# KiCad board poly_kb_molecule_4x5.kicad_pcb (continued)
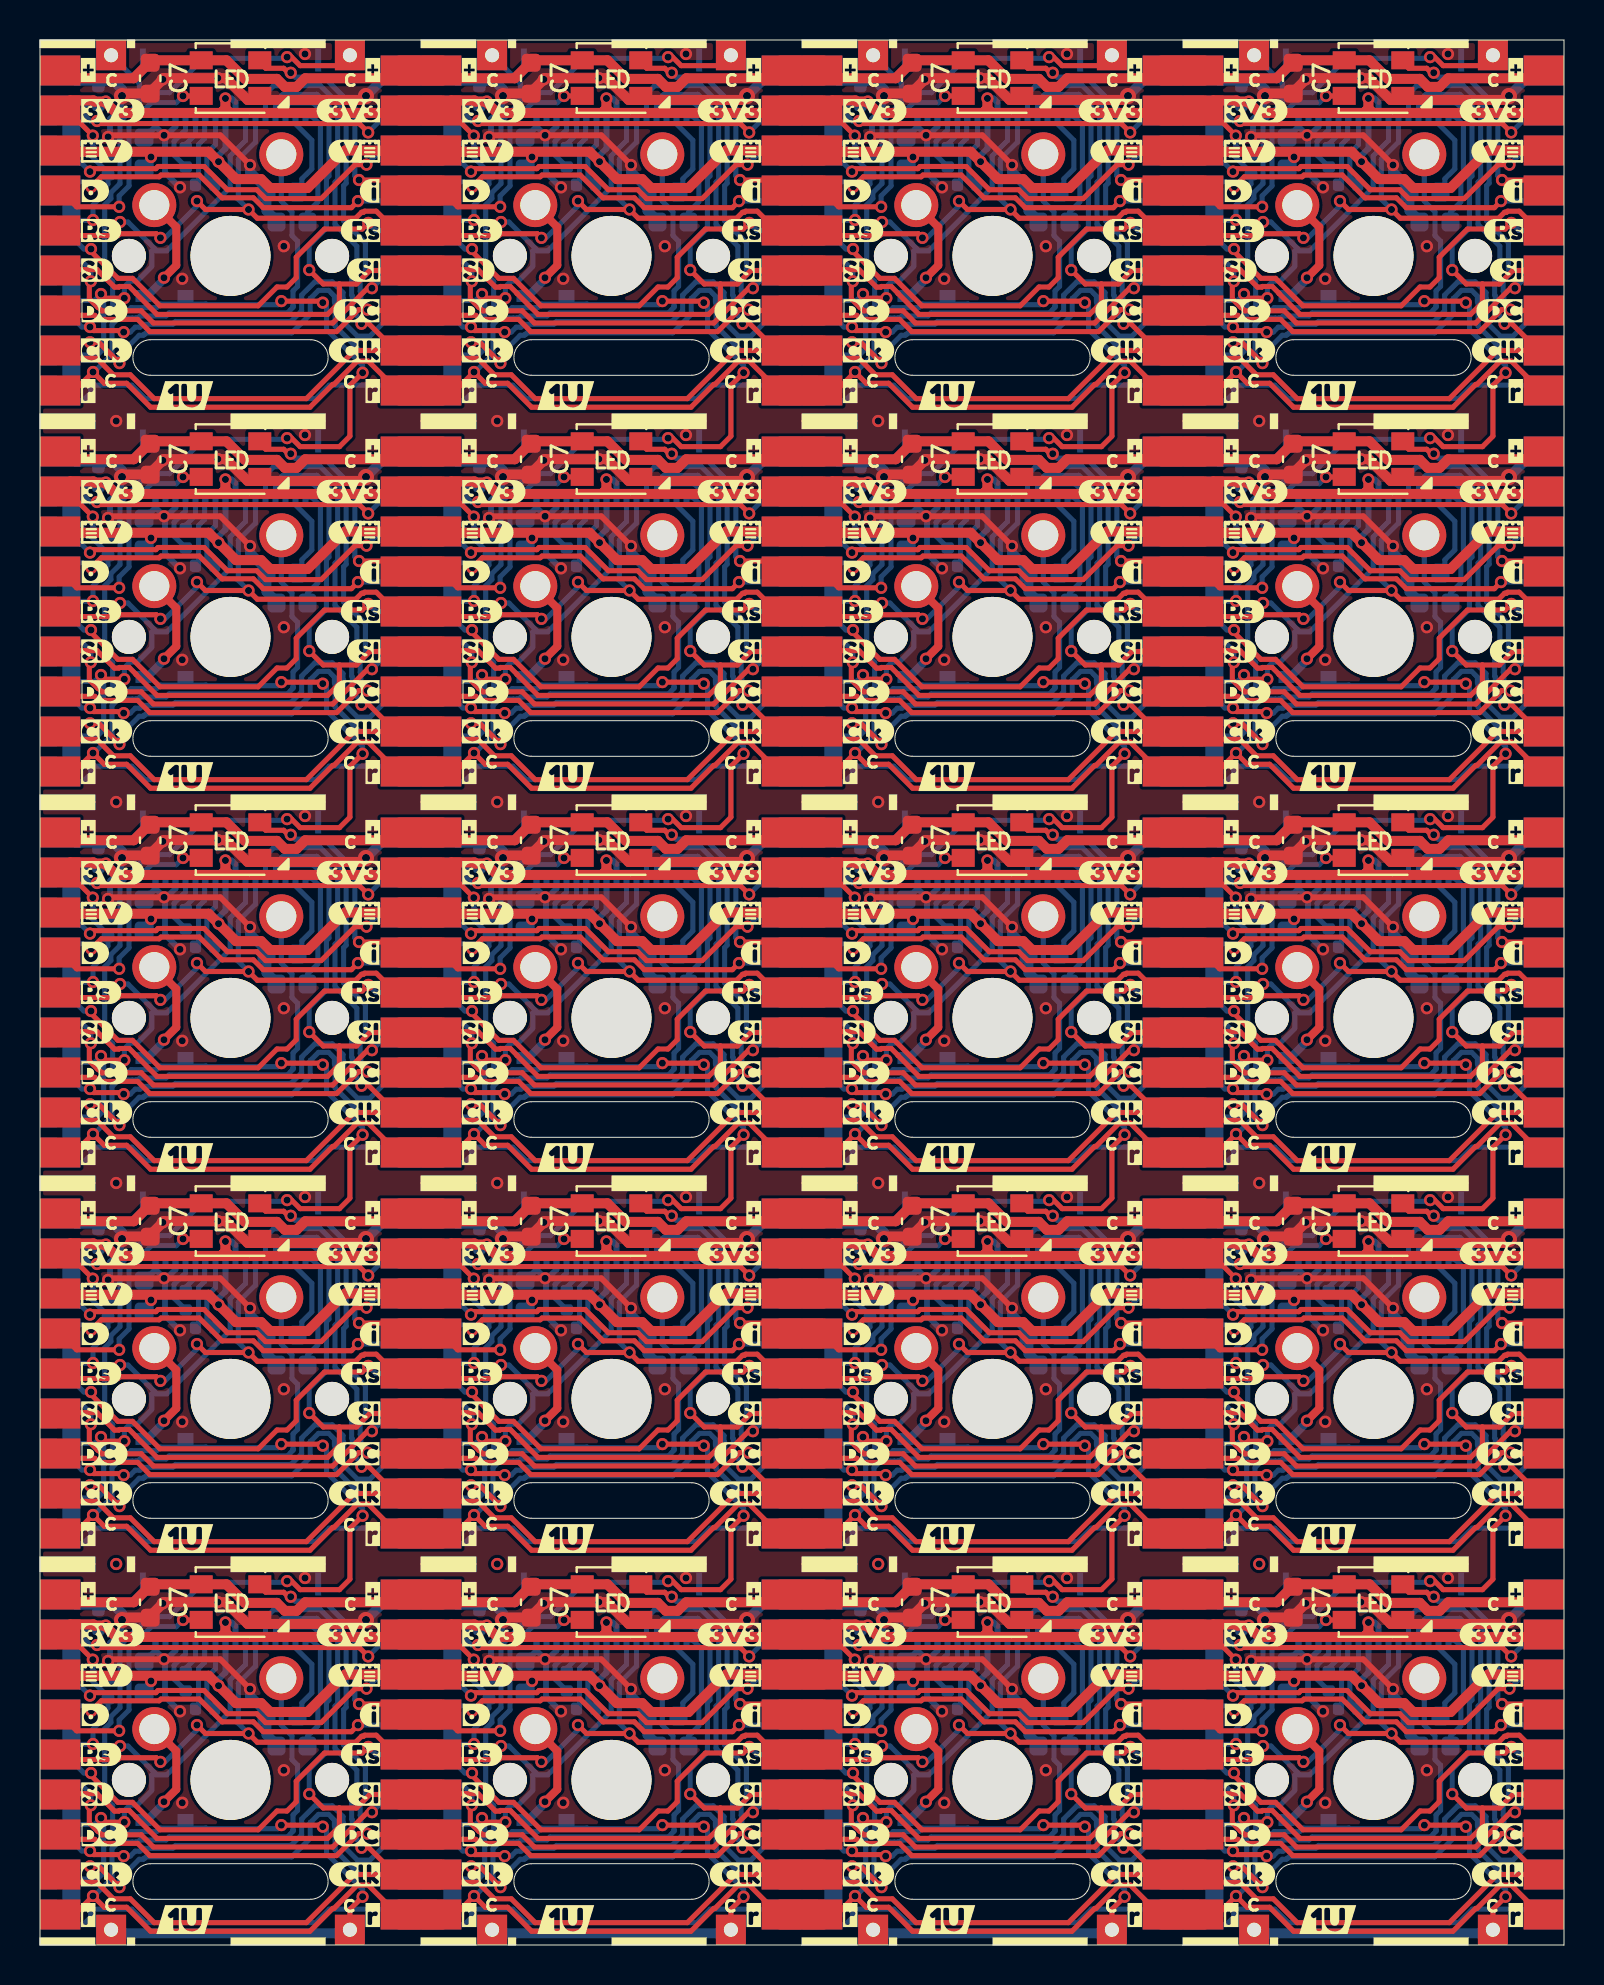
[diagram p0: board, top side]
## Routing (per net, layer and track width the routed paths; a pad name or vN(x,y) marks a point on that pad's centre or on a via; arc(x,y) is an arc through that point) (continued)
  Top w1.5: J4#16.1 J3#7.1 ; J4#18.1 J3#15.1 ; J4#10.1 J3#5.1 ; J4#5.1 J3#2.1 ; J4.1 J3#11.1 ; J4#20.1 J3#19.1 ; J4#15.1 J3#17.1 ; J4#8.1 J3#18.1 ; J4#13.1 J3#12.1 ; J4#4.1 J3#14.1 ; J4#2.1 J3#13.1 ; J4#19.1 J3#20.1 ; J4#9.1 J3#3.1 ; J4#12.1 J3#6.1 ; J4#17.1 J3#9.1
/Keyboard/sheet605ED2EB/GND: length 794.3
  Top w0.292: v1(48.6,12.8) 47.11,14.29 v1(44.3,14.29) 41.56,14.29 41.48,14.21 ; 60.53,14.21 60.61,14.29 v1(63.35,14.29) 66.16,14.29 v1(67.65,12.8) ; 3.38,90.41 3.46,90.49 v1(6.2,90.49) 9.01,90.49 v1(10.5,89) ; 41.48,71.36 41.56,71.44 v1(44.3,71.44) 47.11,71.44 v1(48.6,69.95) ; 3.38,71.36 3.46,71.44 v1(6.2,71.44) 9.01,71.44 v1(10.5,69.95) ; v1(67.65,89) 66.16,90.49 v1(63.35,90.49) 60.61,90.49 60.53,90.41 ; v1(10.5,12.8) 9.01,14.29 v1(6.2,14.29) 3.46,14.29 3.38,14.21 ; 41.48,52.31 41.56,52.39 v1(44.3,52.39) 47.11,52.39 v1(48.6,50.9) ; 41.48,33.26 41.56,33.34 v1(44.3,33.34) 47.11,33.34 v1(48.6,31.85) ; 60.53,33.26 60.61,33.34 v1(63.35,33.34) 66.16,33.34 v1(67.65,31.85) ; v1(67.65,50.9) 66.16,52.39 v1(63.35,52.39) 60.61,52.39 60.53,52.31 ; v1(48.6,89) 47.11,90.49 v1(44.3,90.49) 41.56,90.49 41.48,90.41 ; 22.43,90.41 22.51,90.49 v1(25.25,90.49) 28.06,90.49 v1(29.55,89) ; v1(29.55,31.85) 28.06,33.34 v1(25.25,33.34) 22.51,33.34 22.43,33.26 ; v1(29.55,12.8) 28.06,14.29 v1(25.25,14.29) 22.51,14.29 22.43,14.21 ; 3.38,52.31 3.46,52.39 v1(6.2,52.39) 9.01,52.39 v1(10.5,50.9) ; v1(10.5,31.85) 9.01,33.34 v1(6.2,33.34) 3.46,33.34 3.38,33.26 ; 22.43,71.36 22.51,71.44 v1(25.25,71.44) 28.06,71.44 v1(29.55,69.95) ; v1(67.65,69.95) 66.16,71.44 v1(63.35,71.44) 60.61,71.44 60.53,71.36 ; 22.43,52.31 22.51,52.39 v1(25.25,52.39) 28.06,52.39 v1(29.55,50.9)
  Top w0.5: 4.3,16.38 5.44,16.38 v1(6.14,17.08) 6.21,17.15 v1(8.89,17.15) 9.29,17.15 10.38,16.05 16.1,16.05 v2(16.3,16.25) ; v2(54.4,73.4) 54.2,73.2 48.48,73.2 47.39,74.3 v1(46.99,74.3) 44.31,74.3 v1(44.24,74.23) 43.54,73.53 42.4,73.53 ; v2(16.3,54.35) 16.1,54.15 10.38,54.15 9.29,55.24 v1(8.89,55.24) 6.21,55.24 v1(6.14,55.18) 5.44,54.48 4.3,54.48 ; v2(35.35,35.3) 35.15,35.1 29.43,35.1 28.34,36.19 v1(27.94,36.19) 25.26,36.19 v1(25.19,36.13) 24.49,35.43 23.35,35.43 ; 23.35,54.48 24.49,54.48 v1(25.19,55.18) 25.26,55.24 v1(27.94,55.24) 28.34,55.24 29.43,54.15 35.15,54.15 v2(35.35,54.35) ; v2(73.45,35.3) 73.25,35.1 67.53,35.1 66.44,36.19 v1(66.04,36.19) 63.36,36.19 v1(63.29,36.13) 62.59,35.43 61.45,35.43 ; v2(73.45,54.35) 73.25,54.15 67.53,54.15 66.44,55.24 v1(66.04,55.24) 63.36,55.24 v1(63.29,55.18) 62.59,54.48 61.45,54.48 ; v2(35.35,73.4) 35.15,73.2 29.43,73.2 28.34,74.3 v1(27.94,74.3) 25.26,74.3 v1(25.19,74.23) 24.49,73.53 23.35,73.53 ; v2(16.3,35.3) 16.1,35.1 10.38,35.1 9.29,36.19 v1(8.89,36.19) 6.21,36.19 v1(6.14,36.13) 5.44,35.43 4.3,35.43 ; v2(35.35,16.25) 35.15,16.05 29.43,16.05 28.34,17.15 v1(27.94,17.15) 25.26,17.15 v1(25.19,17.08) 24.49,16.38 23.35,16.38 ; v2(73.45,73.4) 73.25,73.2 67.53,73.2 66.44,74.3 v1(66.04,74.3) 63.36,74.3 v1(63.29,74.23) 62.59,73.53 61.45,73.53 ; v2(54.4,54.35) 54.2,54.15 48.48,54.15 47.39,55.24 v1(46.99,55.24) 44.31,55.24 v1(44.24,55.18) 43.54,54.48 42.4,54.48 ; v2(54.4,35.3) 54.2,35.1 48.48,35.1 47.39,36.19 v1(46.99,36.19) 44.31,36.19 v1(44.24,36.13) 43.54,35.43 42.4,35.43 ; 4.3,73.53 5.44,73.53 v1(6.14,74.23) 6.21,74.3 v1(8.89,74.3) 9.29,74.3 10.38,73.2 16.1,73.2 v2(16.3,73.4) ; v2(73.45,92.45) 73.25,92.25 67.53,92.25 66.44,93.34 v1(66.04,93.34) 63.36,93.34 v1(63.29,93.28) 62.59,92.58 61.45,92.58 ; v2(73.45,16.25) 73.25,16.05 67.53,16.05 66.44,17.15 v1(66.04,17.15) 63.36,17.15 v1(63.29,17.08) 62.59,16.38 61.45,16.38 ; v2(54.4,16.25) 54.2,16.05 48.48,16.05 47.39,17.15 v1(46.99,17.15) 44.31,17.15 v1(44.24,17.08) 43.54,16.38 42.4,16.38 ; 42.4,92.58 43.54,92.58 v1(44.24,93.28) 44.31,93.34 v1(46.99,93.34) 47.39,93.34 48.48,92.25 54.2,92.25 v2(54.4,92.45) ; 23.35,92.58 24.49,92.58 v1(25.19,93.28) 25.26,93.34 v1(27.94,93.34) 28.34,93.34 29.43,92.25 35.15,92.25 v2(35.35,92.45) ; 4.3,92.58 5.44,92.58 v1(6.14,93.28) 6.21,93.34 v1(8.89,93.34) 9.29,93.34 10.38,92.25 16.1,92.25 v2(16.3,92.45)
  Bottom w0.292: 62.36,90.56 62.57,90.56 62.92,90.92 ; 6.98,11.68 6.25,12.42 6.25,14.24 v1(6.2,14.29) ; v1(25.25,14.29) 25.3,14.24 25.3,12.42 26.03,11.68 ; v1(25.25,14.29) 25.25,14.29 24.82,14.72 ; v1(25.25,14.29) 25.39,14.29 25.82,14.72 J1#9.3 ; J1#2.1 24.82,33.77 ; 24.82,33.77 24.47,33.41 24.26,33.41 ; 24.82,33.77 25.25,33.34 v1(25.25,33.34) ; v2(23.15,73.4) 23.1,73.35 23.1,72.8 22.55,72.25 22.55,71.48 22.43,71.36 ; v1(25.25,90.49) 25.3,90.44 25.3,88.62 26.03,87.88 ; v1(25.25,90.49) 25.39,90.49 25.82,90.92 J1#13.3 ; v1(25.25,90.49) 25.25,90.49 24.82,90.92 ; v2(23.15,35.3) 23.1,35.25 23.1,34.7 22.55,34.15 22.55,33.38 22.43,33.26 ; 64.14,49.78 63.4,50.52 63.4,52.34 v1(63.35,52.39) ; 6.98,87.88 6.25,88.62 6.25,90.44 v1(6.2,90.49) ; 24.82,71.87 24.47,71.51 24.26,71.51 ; 24.82,71.87 25.25,71.44 v1(25.25,71.44) ; 24.82,71.87 J1#16.1 ; v1(44.3,14.29) 44.35,14.24 44.35,12.42 45.08,11.68 ; v1(44.3,14.29) 44.44,14.29 44.88,14.72 J1#14.3 ; v1(44.3,14.29) 44.3,14.29 43.88,14.72 ; J1#17.3 63.92,71.88 63.49,71.44 v1(63.35,71.44) ; v1(63.35,33.34) 63.4,33.29 63.4,31.47 64.14,30.73 ; v1(63.35,33.34) 63.35,33.34 62.92,33.77 ; v1(63.35,33.34) 63.49,33.34 63.92,33.77 J1#3.3 ; 5.77,33.77 6.2,33.34 v1(6.2,33.34) ; 5.77,33.77 J1#5.1 ; 5.77,33.77 5.42,33.41 5.21,33.41 ; 43.88,71.87 44.3,71.44 v1(44.3,71.44) ; 43.88,71.87 43.52,71.51 43.31,71.51 ; 43.88,71.87 J1#4.1 ; 22.43,90.41 22.55,90.53 22.55,91.3 23.1,91.85 23.1,92.4 v2(23.15,92.45) ; v1(44.3,33.34) 44.44,33.34 44.88,33.77 J1#18.3 ; v1(44.3,33.34) 44.35,33.29 44.35,31.47 45.08,30.73 ; v1(44.3,33.34) 44.3,33.34 43.88,33.77 ; J1#10.1 62.92,90.92 ; 62.92,90.92 63.35,90.49 v1(63.35,90.49) ; J1#19.3 63.92,52.83 63.49,52.39 v1(63.35,52.39) ; 24.82,52.82 24.47,52.46 24.26,52.46 ; 24.82,52.82 25.25,52.39 v1(25.25,52.39) ; 24.82,52.82 J1#12.1 ; 43.31,52.46 43.52,52.46 43.88,52.82 ; J1#15.3 63.92,14.72 63.49,14.29 v1(63.35,14.29) ; 62.92,71.87 62.57,71.51 62.36,71.51 ; 62.92,71.87 J1#17.1 ; 62.92,71.87 63.35,71.44 v1(63.35,71.44) ; 5.21,14.36 5.42,14.36 5.77,14.72 ; v1(25.25,33.34) 25.3,33.29 25.3,31.47 26.03,30.73 ; v1(25.25,33.34) 25.39,33.34 25.82,33.77 J1#2.3 ; 45.08,68.83 44.35,69.57 44.35,71.39 v1(44.3,71.44) ; v1(63.35,90.49) 63.4,90.44 63.4,88.62 64.14,87.88 ; v1(63.35,90.49) 63.49,90.49 63.92,90.92 J1#10.3 ; 24.82,14.72 24.47,14.36 24.26,14.36 ; 24.82,14.72 J1#9.1 ; v1(44.3,90.49) 44.3,90.49 43.88,90.92 ; v1(44.3,90.49) 44.44,90.49 44.88,90.92 J1#7.3 ; v1(44.3,90.49) 44.35,90.44 44.35,88.62 45.08,87.88 ; v1(6.2,33.34) 6.34,33.34 6.77,33.77 J1#5.3 ; v1(6.2,33.34) 6.25,33.29 6.25,31.47 6.98,30.73 ; 62.92,33.77 62.57,33.41 62.36,33.41 ; 62.92,33.77 J1#3.1 ; v1(6.2,52.39) 6.34,52.39 6.77,52.83 J1#6.3 ; v1(6.2,52.39) 6.2,52.39 5.77,52.82 ; v1(6.2,52.39) 6.25,52.34 6.25,50.52 6.98,49.78 ; J1#14.1 43.88,14.72 ; 43.88,14.72 43.52,14.36 43.31,14.36 ; 5.77,14.72 6.2,14.29 v1(6.2,14.29) ; 5.77,14.72 J1#11.1 ; 43.88,90.92 43.52,90.56 43.31,90.56 ; 43.88,90.92 J1#7.1 ; 41.48,14.21 41.6,14.33 41.6,15.1 42.15,15.65 42.15,16.2 v2(42.2,16.25) ; 24.26,90.56 24.47,90.56 24.82,90.92 ; v2(42.2,92.45) 42.15,92.4 42.15,91.85 41.6,91.3 41.6,90.53 41.48,90.41 ; J1#15.1 62.92,14.72 ; 62.92,14.72 62.57,14.36 62.36,14.36 ; 62.92,14.72 63.35,14.29 v1(63.35,14.29) ; 5.77,71.87 6.2,71.44 v1(6.2,71.44) ; 5.77,71.87 5.42,71.51 5.21,71.51 ; 5.77,71.87 J1#20.1 ; 41.48,33.26 41.6,33.38 41.6,34.15 42.15,34.7 42.15,35.25 v2(42.2,35.3) ; 60.53,14.21 60.65,14.33 60.65,15.1 61.2,15.65 61.2,16.2 v2(61.25,16.25) ; 3.38,52.31 3.5,52.43 3.5,53.2 4.05,53.75 4.05,54.3 v2(4.1,54.35) ; 3.38,71.36 3.5,71.48 3.5,72.25 4.05,72.8 4.05,73.35 v2(4.1,73.4) ; 41.48,71.36 41.6,71.48 41.6,72.25 42.15,72.8 42.15,73.35 v2(42.2,73.4) ; v1(6.2,14.29) 6.34,14.29 6.77,14.72 J1#11.3 ; v1(25.25,71.44) 25.39,71.44 25.82,71.88 J1#16.3 ; v1(25.25,71.44) 25.3,71.39 25.3,69.57 26.03,68.83 ; 26.03,49.78 25.3,50.52 25.3,52.34 v1(25.25,52.39) ; 5.77,90.92 5.42,90.56 5.21,90.56 ; 5.77,90.92 J1.1 ; 5.77,90.92 6.2,90.49 v1(6.2,90.49) ; v2(23.15,16.25) 23.1,16.2 23.1,15.65 22.55,15.1 22.55,14.33 22.43,14.21 ; v2(4.1,92.45) 4.05,92.4 4.05,91.85 3.5,91.3 3.5,90.53 3.38,90.41 ; J1#8.3 44.88,52.83 44.44,52.39 v1(44.3,52.39) ; v1(63.35,71.44) 63.4,71.39 63.4,69.57 64.14,68.83 ; v2(61.25,73.4) 61.2,73.35 61.2,72.8 60.65,72.25 60.65,71.48 60.53,71.36 ; 43.88,52.82 J1#8.1 ; 43.88,52.82 44.3,52.39 v1(44.3,52.39) ; v1(25.25,52.39) 25.39,52.39 25.82,52.83 J1#12.3 ; v2(4.1,16.25) 4.05,16.2 4.05,15.65 3.5,15.1 3.5,14.33 3.38,14.21 ; v1(44.3,52.39) 44.35,52.34 44.35,50.52 45.08,49.78 ; v1(63.35,52.39) 63.35,52.39 62.92,52.82 ; v1(63.35,14.29) 63.4,14.24 63.4,12.42 64.14,11.68 ; J1#20.3 6.77,71.88 6.34,71.44 v1(6.2,71.44) ; J1#19.1 62.92,52.82 ; 62.92,52.82 62.57,52.46 62.36,52.46 ; v2(61.25,92.45) 61.2,92.4 61.2,91.85 60.65,91.3 60.65,90.53 60.53,90.41 ; v1(6.2,71.44) 6.25,71.39 6.25,69.57 6.98,68.83 ; v1(44.3,71.44) 44.44,71.44 44.88,71.88 J1#4.3 ; J1#6.1 5.77,52.82 ; 5.77,52.82 5.42,52.46 5.21,52.46 ; J1#18.1 43.88,33.77 ; 43.88,33.77 43.52,33.41 43.31,33.41 ; v1(6.2,90.49) 6.34,90.49 6.77,90.92 J1.3 ; v2(4.1,35.3) 4.05,35.25 4.05,34.7 3.5,34.15 3.5,33.38 3.38,33.26 ; v2(42.2,54.35) 42.15,54.3 42.15,53.75 41.6,53.2 41.6,52.43 41.48,52.31 ; 22.43,52.31 22.55,52.43 22.55,53.2 23.1,53.75 23.1,54.3 v2(23.15,54.35) ; v2(61.25,35.3) 61.2,35.25 61.2,34.7 60.65,34.15 60.65,33.38 60.53,33.26 ; 24.82,90.92 J1#13.1 ; 60.53,52.31 60.65,52.43 60.65,53.2 61.2,53.75 61.2,54.3 v2(61.25,54.35)
  Bottom w0.5: v1(10.5,89) 10.5,88.65 11.32,87.82 11.32,87.76 ; v2(54.4,92.45) 55.67,93.72 55.88,93.72 ; 36.83,17.53 36.62,17.53 v2(35.35,16.25) ; 60.18,36.07 60.18,35.89 C3#14.2 ; 60.18,36.07 58.93,36.07 58.42,36.58 ; 60.18,36.07 60.81,36.07 61.25,35.63 v2(61.25,35.3) ; v2(35.35,73.4) 36.62,74.67 36.83,74.67 ; v2(35.35,35.3) 36.62,36.58 36.83,36.58 ; v2(61.25,54.35) 61.25,54.68 60.81,55.12 60.18,55.12 ; 49.42,11.56 49.42,10.52 49.91,10.03 ; 55.88,74.67 55.67,74.67 v2(54.4,73.4) ; 20.32,17.53 20.83,17.02 22.08,17.02 ; C3#18.2 3.03,73.99 3.03,74.17 ; 3.03,17.02 3.03,16.84 C3#7.2 ; 3.03,17.02 1.78,17.02 1.27,17.53 ; 3.03,17.02 3.66,17.02 4.1,16.58 v2(4.1,16.25) ; 22.08,74.17 22.08,73.99 C3#12.2 ; 22.08,74.17 22.71,74.17 23.15,73.73 v2(23.15,73.4) ; 22.08,74.17 20.83,74.17 20.32,74.67 ; 30.37,87.76 30.37,86.72 30.86,86.23 ; C3#20.2 60.18,73.99 60.18,74.17 ; 49.42,68.71 49.42,67.67 49.91,67.18 ; 11.32,11.56 11.32,11.62 10.5,12.45 v1(10.5,12.8) ; 68.96,67.18 68.47,67.67 68.47,68.71 ; 30.86,48.13 30.37,48.62 30.37,49.66 ; 17.78,36.58 17.57,36.58 v2(16.3,35.3) ; v1(10.5,50.9) 10.5,50.55 11.32,49.72 11.32,49.66 ; v2(42.2,92.45) 42.2,92.78 41.76,93.22 41.13,93.22 ; 11.32,11.56 11.32,10.52 11.81,10.03 ; v1(29.55,12.8) 29.55,12.45 30.38,11.62 30.38,11.56 ; 39.37,17.53 39.88,17.02 41.13,17.02 ; v2(4.1,73.4) 4.1,73.73 3.66,74.17 3.03,74.17 ; v1(67.65,89) 67.65,88.65 68.47,87.82 68.47,87.76 ; 36.83,93.72 36.62,93.72 v2(35.35,92.45) ; 11.81,48.13 11.32,48.62 11.32,49.66 ; 3.03,74.17 1.78,74.17 1.27,74.67 ; 58.42,55.62 58.93,55.12 60.18,55.12 ; 11.32,30.61 11.32,30.67 10.5,31.5 v1(10.5,31.85) ; 17.78,93.72 17.57,93.72 v2(16.3,92.45) ; 3.03,55.12 1.78,55.12 1.27,55.62 ; 3.03,55.12 3.66,55.12 4.1,54.68 v2(4.1,54.35) ; 3.03,55.12 3.03,54.94 C3#11.2 ; C3#6.2 22.08,54.94 22.08,55.12 ; 11.81,67.18 11.32,67.67 11.32,68.71 ; C3#9.2 22.08,16.84 22.08,17.02 ; v2(42.2,35.3) 42.2,35.63 41.76,36.07 41.13,36.07 ; C3#16.2 22.08,93.04 22.08,93.22 ; 74.93,36.58 74.72,36.58 v2(73.45,35.3) ; 41.13,36.07 39.88,36.07 39.37,36.58 ; 41.13,36.07 41.13,35.89 C3#19.2 ; 3.03,93.22 3.66,93.22 4.1,92.78 v2(4.1,92.45) ; 3.03,93.22 3.03,93.04 C3.2 ; 3.03,93.22 1.78,93.22 1.27,93.72 ; 55.88,36.58 55.67,36.58 v2(54.4,35.3) ; 49.42,87.76 49.42,86.72 49.91,86.23 ; C3#13.2 3.03,35.89 3.03,36.07 ; 41.13,17.02 41.13,16.84 C3#10.2 ; 41.13,17.02 41.76,17.02 42.2,16.58 v2(42.2,16.25) ; v1(48.6,31.85) 48.6,31.5 49.42,30.67 49.42,30.61 ; 11.32,87.76 11.32,86.72 11.81,86.23 ; 11.81,29.08 11.32,29.57 11.32,30.61 ; v1(67.65,50.9) 67.65,50.55 68.47,49.72 68.47,49.66 ; v1(67.65,69.95) 67.65,69.6 68.47,68.77 68.47,68.71 ; 60.18,17.02 58.93,17.02 58.42,17.53 ; 60.18,17.02 60.81,17.02 61.25,16.58 v2(61.25,16.25) ; 60.18,17.02 60.18,16.84 C3#15.2 ; v1(29.55,89) 29.55,88.65 30.38,87.82 30.38,87.76 ; 60.18,93.22 60.81,93.22 61.25,92.78 v2(61.25,92.45) ; 60.18,93.22 58.93,93.22 58.42,93.72 ; 60.18,93.22 60.18,93.04 C3#3.2 ; v1(29.55,50.9) 29.55,50.55 30.38,49.72 30.38,49.66 ; v1(48.6,50.9) 48.6,50.55 49.42,49.72 49.42,49.66 ; C3#17.2 41.13,54.94 41.13,55.12 ; 20.32,55.62 20.83,55.12 22.08,55.12 ; 1.27,36.58 1.78,36.07 3.03,36.07 ; v1(10.5,69.95) 10.5,69.6 11.32,68.77 11.32,68.71 ; v2(23.15,16.25) 23.15,16.58 22.71,17.02 22.08,17.02 ; 3.03,36.07 3.66,36.07 4.1,35.63 v2(4.1,35.3) ; 22.08,93.22 20.83,93.22 20.32,93.72 ; 22.08,93.22 22.71,93.22 23.15,92.78 v2(23.15,92.45) ; 39.37,55.62 39.88,55.12 41.13,55.12 ; 41.13,93.22 41.13,93.04 C3#5.2 ; 41.13,93.22 39.88,93.22 39.37,93.72 ; 41.13,74.17 41.76,74.17 42.2,73.73 v2(42.2,73.4) ; 41.13,74.17 39.88,74.17 39.37,74.67 ; 41.13,74.17 41.13,73.99 C3#4.2 ; 60.18,55.12 60.18,54.94 C3#2.2 ; 30.86,10.03 30.37,10.52 30.37,11.56 ; 22.08,55.12 22.71,55.12 23.15,54.68 v2(23.15,54.35) ; 55.88,55.62 55.67,55.62 v2(54.4,54.35) ; 49.42,11.56 49.42,11.62 48.6,12.45 v1(48.6,12.8) ; 74.93,74.67 74.72,74.67 v2(73.45,73.4) ; 60.18,74.17 60.81,74.17 61.25,73.73 v2(61.25,73.4) ; 60.18,74.17 58.93,74.17 58.42,74.67 ; 49.42,87.76 49.42,87.82 48.6,88.65 v1(48.6,89) ; 30.86,29.08 30.37,29.57 30.37,30.61 ; 30.37,68.71 30.37,67.67 30.86,67.18 ; 68.96,86.23 68.47,86.72 68.47,87.76 ; 20.32,36.58 20.83,36.07 22.08,36.07 ; 41.13,55.12 41.76,55.12 42.2,54.68 v2(42.2,54.35) ; v1(29.55,31.85) 29.55,31.5 30.38,30.67 30.38,30.61 ; v2(16.3,54.35) 17.57,55.62 17.78,55.62 ; v1(48.6,69.95) 48.6,69.6 49.42,68.77 49.42,68.71 ; 36.83,55.62 36.62,55.62 v2(35.35,54.35) ; v2(54.4,16.25) 55.67,17.53 55.88,17.53 ; 68.96,29.08 68.47,29.57 68.47,30.61 ; 17.78,17.53 17.57,17.53 v2(16.3,16.25) ; 49.42,49.66 49.42,48.62 49.91,48.13 ; 22.08,36.07 22.08,35.89 C3#8.2 ; 22.08,36.07 22.71,36.07 23.15,35.63 v2(23.15,35.3) ; 68.47,30.61 68.47,30.67 67.65,31.5 v1(67.65,31.85) ; v2(73.45,54.35) 74.72,55.62 74.93,55.62 ; 74.93,17.53 74.72,17.53 v2(73.45,16.25) ; 49.42,30.61 49.42,29.57 49.91,29.08 ; 30.38,68.71 30.38,68.77 29.55,69.6 v1(29.55,69.95) ; v2(16.3,73.4) 17.57,74.67 17.78,74.67 ; 68.47,11.56 68.47,11.62 67.65,12.45 v1(67.65,12.8) ; 68.96,48.13 68.47,48.62 68.47,49.66 ; 68.47,11.56 68.47,10.52 68.96,10.03 ; v2(73.45,92.45) 74.72,93.72 74.93,93.72
  Bottom w1.5: J6#2.1 J5#18.1 ; J6#17.1 J5#19.1 ; J6#20.1 J5#10.1 ; J6#6.1 J5#15.1 ; J6#4.1 J5#5.1 ; J5#4.1 J6#15.1 ; J6#18.1 J5#9.1 ; J5#13.1 J6#10.1 ; J6#3.1 J5#2.1 ; J5#7.1 J6#16.1 ; J6.1 J5#16.1 ; J5#6.1 J6#14.1 ; J5#14.1 J6#9.1 ; J6#19.1 J5#20.1 ; J6#11.1 J5#8.1
  vias: v1(3.41,90.41) v1(3.41,71.36) v1(3.41,52.31) v1(3.41,33.26) v1(3.41,14.21) v1(3.81,76.2) v1(3.81,57.15) v1(3.81,38.1) v1(7,87.88) v1(7,68.83) v1(7,49.78) v1(7,30.73) v1(7,11.68) v1(7.11,83.31) v1(7.11,64.26) v1(7.11,45.21) v1(7.11,26.16) v1(7.11,7.11) v1(12.19,84.94) v1(12.19,65.89) v1(12.19,46.84) v1(12.19,27.79) v1(12.19,8.74) v1(13.25,94.55) v1(13.25,75.5) v1(13.25,56.45) v1(13.25,37.4) v1(13.25,18.35) v1(22.46,90.41) v1(22.46,71.36) v1(22.46,52.31) v1(22.46,33.26) v1(22.46,14.21) v1(22.86,76.2) v1(22.86,57.15) v1(22.86,38.1) v1(26.05,87.88) v1(26.05,68.83) v1(26.05,49.78) v1(26.05,30.73) v1(26.05,11.68) v1(26.16,83.31) v1(26.16,64.26) v1(26.16,45.21) v1(26.16,26.16) v1(26.16,7.11) v1(31.24,84.94) v1(31.24,65.89) v1(31.24,46.84) v1(31.24,27.79) v1(31.24,8.74) v1(32.3,94.55) v1(32.3,75.5) v1(32.3,56.45) v1(32.3,37.4) v1(32.3,18.35) v1(41.51,90.41) v1(41.51,71.36) v1(41.51,52.31) v1(41.51,33.26) v1(41.51,14.21) v1(41.91,76.2) v1(41.91,57.15) v1(41.91,38.1) v1(45.1,87.88) v1(45.1,68.83) v1(45.1,49.78) v1(45.1,30.73) v1(45.1,11.68) v1(45.21,83.31) v1(45.21,64.26) v1(45.21,45.21) v1(45.21,26.16) v1(45.21,7.11) v1(50.29,84.94) v1(50.29,65.89) v1(50.29,46.84) v1(50.29,27.79) v1(50.29,8.74) v1(51.35,94.55) v1(51.35,75.5) v1(51.35,56.45) v1(51.35,37.4) v1(51.35,18.35) v1(60.56,90.41) v1(60.56,71.36) v1(60.56,52.31) v1(60.56,33.26) v1(60.56,14.21) v1(60.96,76.2) v1(60.96,57.15) v1(60.96,38.1) v1(64.15,87.88) v1(64.15,68.83) v1(64.15,49.78) v1(64.15,30.73) v1(64.15,11.68) v1(64.26,83.31) v1(64.26,64.26) v1(64.26,45.21) v1(64.26,26.16) v1(64.26,7.11) v1(69.34,84.94) v1(69.34,65.89) v1(69.34,46.84) v1(69.34,27.79) v1(69.34,8.74) v1(70.4,94.55) v1(70.4,75.5) v1(70.4,56.45) v1(70.4,37.4) v1(70.4,18.35)
(no net):
  vias: v1(3.81,19.05) v1(22.86,19.05) v1(41.91,19.05) v1(60.96,19.05)
/Keyboard/sheet605ED2EB/CS: length 600.8
  Top w0.254: v1(60.2,44.45) 60.41,44.24 v1(61.37,44.24) ; v1(42.32,44.24) 41.36,44.24 v1(41.15,44.45) ; v1(23.27,44.24) 22.31,44.24 v1(22.1,44.45) ; v1(23.27,63.29) 22.31,63.29 v1(22.1,63.5) ; v1(40.75,10.05) 40.85,9.95 v1(42.1,9.95) ; v1(42.32,63.29) 41.36,63.29 v1(41.15,63.5) ; v1(21.7,10.05) 21.8,9.95 v1(23.05,9.95) ; v1(21.7,86.25) 21.8,86.15 v1(23.05,86.15) ; v1(21.7,67.2) 21.8,67.1 v1(23.05,67.1) ; v1(61.37,6.14) 60.41,6.14 v1(60.2,6.35) ; v1(42.1,67.1) 40.85,67.1 v1(40.75,67.2) ; v1(4.22,25.19) 3.26,25.19 v1(3.05,25.4) ; v1(42.1,48.05) 40.85,48.05 v1(40.75,48.15) ; v1(61.37,82.34) 60.41,82.34 v1(60.2,82.55) ; v1(22.1,6.35) 22.31,6.14 v1(23.27,6.14) ; v1(61.37,63.29) 60.41,63.29 v1(60.2,63.5) ; v1(42.32,25.19) 41.36,25.19 v1(41.15,25.4) ; v1(4.22,63.29) 3.26,63.29 v1(3.05,63.5) ; v1(40.75,29.1) 40.85,29 v1(42.1,29) ; v1(42.32,6.14) 41.36,6.14 v1(41.15,6.35) ; v1(4,67.1) 2.75,67.1 v1(2.65,67.2) ; v1(61.15,86.15) 59.9,86.15 v1(59.8,86.25) ; v1(22.1,25.4) 22.31,25.19 v1(23.27,25.19) ; v1(3.05,44.45) 3.26,44.24 v1(4.22,44.24) ; v1(4.22,6.14) 3.26,6.14 v1(3.05,6.35) ; v1(42.1,86.15) 40.85,86.15 v1(40.75,86.25) ; v1(59.8,48.15) 59.9,48.05 v1(61.15,48.05) ; v1(22.1,82.55) 22.31,82.34 v1(23.27,82.34) ; v1(4,86.15) 2.75,86.15 v1(2.65,86.25) ; v1(2.65,10.05) 2.75,9.95 v1(4,9.95) ; v1(59.8,29.1) 59.9,29 v1(61.15,29) ; v1(2.65,29.1) 2.75,29 v1(4,29) ; v1(21.7,48.15) 21.8,48.05 v1(23.05,48.05) ; v1(3.05,82.55) 3.26,82.34 v1(4.22,82.34) ; v1(59.8,10.05) 59.9,9.95 v1(61.15,9.95) ; v1(61.15,67.1) 59.9,67.1 v1(59.8,67.2) ; v1(60.2,25.4) 60.41,25.19 v1(61.37,25.19) ; v1(21.7,29.1) 21.8,29 v1(23.05,29) ; v1(42.32,82.34) 41.36,82.34 v1(41.15,82.55) ; v1(4,48.05) 2.75,48.05 v1(2.65,48.15)
  Bottom w0.25: R1#18.2 60.55,12.42 58.92,14.05 J5#6.10 ; R1#5.2 22.45,69.57 20.82,71.2 J5#10.10 ; R1#14.2 41.5,12.42 39.87,14.05 J5#19.10 ; R1#12.2 60.55,88.62 58.92,90.25 J5#13.10 ; J5#3.10 1.77,33.1 3.4,31.47 R1#2.2 ; R1#9.2 60.55,50.52 58.92,52.15 J5#14.10 ; J5#7.10 58.92,71.2 60.55,69.57 R1#10.2 ; R1#11.2 22.45,88.62 20.82,90.25 J5#16.10 ; J5.10 1.77,90.25 3.4,88.62 R1#16.2 ; J5#9.10 20.82,14.05 22.45,12.42 R1#4.2 ; J5#4.10 58.92,33.1 60.55,31.47 R1#19.2 ; R1#13.2 3.4,69.57 1.77,71.2 J5#12.10 ; J5#20.10 39.87,33.1 41.5,31.47 R1#20.2 ; R1#17.2 22.45,31.47 20.82,33.1 J5#15.10 ; R1#15.2 41.5,69.57 39.87,71.2 J5#18.10 ; R1#6.2 22.45,50.52 20.82,52.15 J5#5.10 ; J5#8.10 39.87,52.15 41.5,50.52 R1#3.2 ; J5#17.10 1.77,52.15 3.4,50.52 R1#7.2 ; J5#2.10 39.87,90.25 41.5,88.62 R1#8.2 ; R1.2 3.4,12.42 1.77,14.05 J5#11.10
  Bottom w0.254: 39.87,10.03 40.73,10.03 v1(40.75,10.05) 40.75,10.8 41.24,11.29 41.24,11.59 41.5,11.85 R1#14.2 ; J5#3.10 2.04,22.35 2.88,22.35 3.18,22.66 3.18,25.24 3.05,25.38 ; J5#20.10 40.14,22.35 40.98,22.35 41.28,22.66 41.28,25.24 41.15,25.38 ; v1(41.15,6.35) 40.82,6.03 39.87,6.03 ; 62.99,65.66 61.55,67.1 v1(61.15,67.1) ; 39.87,25.08 40.82,25.08 v1(41.15,25.4) ; 3.05,6.33 3.18,6.19 3.18,3.61 2.88,3.3 2.04,3.3 J5#11.10 ; v1(42.1,9.95) 42.5,9.95 43.94,8.51 ; 1.77,67.18 2.63,67.18 v1(2.65,67.2) 2.65,67.95 3.14,68.44 3.14,68.74 3.4,69 R1#13.2 ; J5#18.10 40.14,60.45 40.98,60.45 41.28,60.76 41.28,63.34 41.15,63.48 ; J1#7.10 48.38,90.22 47.61,89.46 47.61,87.88 44.44,84.71 43.69,84.71 43.69,83.92 42.96,83.19 42.6,83.19 42.32,82.91 v1(42.32,82.34) ; v1(42.32,44.24) 42.32,44.81 42.6,45.09 42.96,45.09 43.69,45.82 43.69,46.61 44.44,46.61 47.61,49.78 47.61,51.36 48.38,52.12 J1#8.10 ; J5#2.10 40.14,79.5 40.98,79.5 41.28,79.81 41.28,82.39 41.15,82.53 ; J1#14.10 48.38,14.02 47.61,13.26 47.61,11.68 44.44,8.51 43.69,8.51 43.69,7.72 42.96,6.99 42.6,6.99 42.32,6.71 v1(42.32,6.14) ; 5.84,65.66 4.4,67.1 v1(4,67.1) ; 43.94,65.66 42.5,67.1 v1(42.1,67.1) ; v1(23.27,25.19) 23.27,25.76 23.55,26.04 23.91,26.04 24.64,26.77 24.64,27.56 25.39,27.56 28.56,30.73 28.56,32.31 29.33,33.07 J1#2.10 ; J1#3.10 67.42,33.07 66.66,32.31 66.66,30.73 63.49,27.56 62.74,27.56 62.74,26.77 62.01,26.04 61.65,26.04 61.37,25.76 v1(61.37,25.19) ; 58.92,44.12 59.87,44.12 v1(60.2,44.45) ; R1#18.2 60.55,11.85 60.29,11.59 60.29,11.29 59.8,10.8 v1(59.8,10.05) 59.78,10.03 58.92,10.03 ; R1#16.2 3.4,88.05 3.14,87.79 3.14,87.49 2.65,87 v1(2.65,86.25) 2.63,86.23 1.77,86.23 ; v1(23.27,63.29) 23.27,63.86 23.55,64.14 23.91,64.14 24.64,64.87 24.64,65.66 25.39,65.66 28.56,68.83 28.56,70.41 29.33,71.17 J1#16.10 ; 39.87,44.12 40.82,44.12 v1(41.15,44.45) ; 5.84,27.56 4.4,29 v1(4,29) ; 60.2,44.43 60.33,44.29 60.33,41.71 60.03,41.4 59.19,41.4 J5#14.10 ; 1.77,25.08 2.72,25.08 v1(3.05,25.4) ; R1#5.2 22.45,69 22.19,68.74 22.19,68.44 21.7,67.95 v1(21.7,67.2) 21.68,67.18 20.82,67.18 ; 39.87,67.18 40.73,67.18 v1(40.75,67.2) 40.75,67.95 41.24,68.44 41.24,68.74 41.5,69 R1#15.2 ; 5.84,84.71 4.4,86.15 v1(4,86.15) ; v1(3.05,6.35) 2.72,6.03 1.77,6.03 ; 58.92,25.08 59.87,25.08 v1(60.2,25.4) ; J1#5.10 10.27,33.07 9.51,32.31 9.51,30.73 6.34,27.56 5.59,27.56 5.59,26.77 4.86,26.04 4.5,26.04 4.22,25.76 v1(4.22,25.19) ; v1(23.27,82.34) 23.27,82.91 23.55,83.19 23.91,83.19 24.64,83.92 24.64,84.71 25.39,84.71 28.56,87.88 28.56,89.46 29.33,90.22 J1#13.10 ; v1(60.2,6.35) 59.87,6.03 58.92,6.03 ; R1#10.2 60.55,69 60.29,68.74 60.29,68.44 59.8,67.95 v1(59.8,67.2) 59.78,67.18 58.92,67.18 ; R1#11.2 22.45,88.05 22.19,87.79 22.19,87.49 21.7,87 v1(21.7,86.25) 21.68,86.23 20.82,86.23 ; 20.82,10.03 21.68,10.03 v1(21.7,10.05) 21.7,10.8 22.19,11.29 22.19,11.59 22.45,11.85 R1#4.2 ; 1.77,82.22 2.72,82.22 v1(3.05,82.55) ; 60.2,25.38 60.33,25.24 60.33,22.66 60.03,22.35 59.19,22.35 J5#4.10 ; R1#17.2 22.45,30.9 22.19,30.64 22.19,30.34 21.7,29.85 v1(21.7,29.1) 21.68,29.08 20.82,29.08 ; v1(3.05,44.45) 2.72,44.12 1.77,44.12 ; J1#18.10 48.38,33.07 47.61,32.31 47.61,30.73 44.44,27.56 43.69,27.56 43.69,26.77 42.96,26.04 42.6,26.04 42.32,25.76 v1(42.32,25.19) ; 62.99,27.56 61.55,29 v1(61.15,29) ; 3.05,82.53 3.18,82.39 3.18,79.81 2.88,79.5 2.04,79.5 J5.10 ; J5#19.10 40.14,3.3 40.98,3.3 41.28,3.61 41.28,6.19 41.15,6.33 ; v1(23.05,48.05) 23.45,48.05 24.89,46.61 ; v1(23.05,86.15) 23.45,86.15 24.89,84.71 ; v1(22.1,82.55) 21.77,82.22 20.82,82.22 ; 58.92,82.22 59.87,82.22 v1(60.2,82.55) ; 60.2,63.48 60.33,63.34 60.33,60.76 60.03,60.45 59.19,60.45 J5#7.10 ; 39.87,29.08 40.73,29.08 v1(40.75,29.1) 40.75,29.85 41.24,30.34 41.24,30.64 41.5,30.9 R1#20.2 ; v1(4.22,44.24) 4.22,44.81 4.5,45.09 4.86,45.09 5.59,45.82 5.59,46.61 6.34,46.61 9.51,49.78 9.51,51.36 10.27,52.12 J1#6.10 ; 58.92,29.08 59.78,29.08 v1(59.8,29.1) 59.8,29.85 60.29,30.34 60.29,30.64 60.55,30.9 R1#19.2 ; R1#7.2 3.4,49.95 3.14,49.69 3.14,49.39 2.65,48.9 v1(2.65,48.15) 2.63,48.13 1.77,48.13 ; J5#9.10 21.09,3.3 21.93,3.3 22.23,3.61 22.23,6.19 22.1,6.33 ; 5.84,8.51 4.4,9.95 v1(4,9.95) ; v1(61.37,6.14) 61.37,6.71 61.65,6.99 62.01,6.99 62.74,7.72 62.74,8.51 63.49,8.51 66.66,11.68 66.66,13.26 67.42,14.02 J1#15.10 ; v1(61.37,63.29) 61.37,63.86 61.65,64.14 62.01,64.14 62.74,64.87 62.74,65.66 63.49,65.66 66.66,68.83 66.66,70.41 67.42,71.17 J1#17.10 ; v1(41.15,63.5) 40.82,63.17 39.87,63.17 ; v1(23.27,6.14) 23.27,6.71 23.55,6.99 23.91,6.99 24.64,7.72 24.64,8.51 25.39,8.51 28.56,11.68 28.56,13.26 29.33,14.02 J1#9.10 ; v1(22.1,63.5) 21.77,63.17 20.82,63.17 ; v1(61.15,48.05) 61.55,48.05 62.99,46.61 ; J5#16.10 21.09,79.5 21.93,79.5 22.23,79.81 22.23,82.39 22.1,82.53 ; J1#19.10 67.42,52.12 66.66,51.36 66.66,49.78 63.49,46.61 62.74,46.61 62.74,45.82 62.01,45.09 61.65,45.09 61.37,44.81 v1(61.37,44.24) ; 20.82,6.03 21.77,6.03 v1(22.1,6.35) ; v1(42.32,63.29) 42.32,63.86 42.6,64.14 42.96,64.14 43.69,64.87 43.69,65.66 44.44,65.66 47.61,68.83 47.61,70.41 48.38,71.17 J1#4.10 ; J5#15.10 21.09,22.35 21.93,22.35 22.23,22.66 22.23,25.24 22.1,25.38 ; v1(42.1,29) 42.5,29 43.94,27.56 ; v1(23.27,44.24) 23.27,44.81 23.55,45.09 23.91,45.09 24.64,45.82 24.64,46.61 25.39,46.61 28.56,49.78 28.56,51.36 29.33,52.12 J1#12.10 ; v1(42.1,48.05) 42.5,48.05 43.94,46.61 ; 20.82,44.12 21.77,44.12 v1(22.1,44.45) ; R1#2.2 3.4,30.9 3.14,30.64 3.14,30.34 2.65,29.85 v1(2.65,29.1) 2.63,29.08 1.77,29.08 ; 58.92,48.13 59.78,48.13 v1(59.8,48.15) 59.8,48.9 60.29,49.39 60.29,49.69 60.55,49.95 R1#9.2 ; v1(22.1,25.4) 21.77,25.08 20.82,25.08 ; v1(61.15,9.95) 61.55,9.95 62.99,8.51 ; J5#10.10 21.09,60.45 21.93,60.45 22.23,60.76 22.23,63.34 22.1,63.48 ; 58.92,86.23 59.78,86.23 v1(59.8,86.25) 59.8,87 60.29,87.49 60.29,87.79 60.55,88.05 R1#12.2 ; v1(23.05,29) 23.45,29 24.89,27.56 ; 62.99,84.71 61.55,86.15 v1(61.15,86.15) ; J5#17.10 2.04,41.4 2.88,41.4 3.18,41.71 3.18,44.29 3.05,44.43 ; J5#5.10 21.09,41.4 21.93,41.4 22.23,41.71 22.23,44.29 22.1,44.43 ; 1.77,63.17 2.72,63.17 v1(3.05,63.5) ; v1(4,48.05) 4.4,48.05 5.84,46.61 ; 39.87,82.22 40.82,82.22 v1(41.15,82.55) ; R1.2 3.4,11.85 3.14,11.59 3.14,11.29 2.65,10.8 v1(2.65,10.05) 2.63,10.03 1.77,10.03 ; v1(60.2,63.5) 59.87,63.17 58.92,63.17 ; J1#20.10 10.27,71.17 9.51,70.41 9.51,68.83 6.34,65.66 5.59,65.66 5.59,64.87 4.86,64.14 4.5,64.14 4.22,63.86 v1(4.22,63.29) ; 24.89,8.51 23.45,9.95 v1(23.05,9.95) ; 39.87,86.23 40.73,86.23 v1(40.75,86.25) 40.75,87 41.24,87.49 41.24,87.79 41.5,88.05 R1#8.2 ; v1(4.22,6.14) 4.22,6.71 4.5,6.99 4.86,6.99 5.59,7.72 5.59,8.51 6.34,8.51 9.51,11.68 9.51,13.26 10.27,14.02 J1#11.10 ; 3.05,63.48 3.18,63.34 3.18,60.76 2.88,60.45 2.04,60.45 J5#12.10 ; v1(23.05,67.1) 23.45,67.1 24.89,65.66 ; J5#8.10 40.14,41.4 40.98,41.4 41.28,41.71 41.28,44.29 41.15,44.43 ; J5#6.10 59.19,3.3 60.03,3.3 60.33,3.61 60.33,6.19 60.2,6.33 ; 20.82,48.13 21.68,48.13 v1(21.7,48.15) 21.7,48.9 22.19,49.39 22.19,49.69 22.45,49.95 R1#6.2 ; 43.94,84.71 42.5,86.15 v1(42.1,86.15) ; v1(61.37,82.34) 61.37,82.91 61.65,83.19 62.01,83.19 62.74,83.92 62.74,84.71 63.49,84.71 66.66,87.88 66.66,89.46 67.42,90.22 J1#10.10 ; R1#3.2 41.5,49.95 41.24,49.69 41.24,49.39 40.75,48.9 v1(40.75,48.15) 40.73,48.13 39.87,48.13 ; J1.10 10.27,90.22 9.51,89.46 9.51,87.88 6.34,84.71 5.59,84.71 5.59,83.92 4.86,83.19 4.5,83.19 4.22,82.91 v1(4.22,82.34) ; 60.2,82.53 60.33,82.39 60.33,79.81 60.03,79.5 59.19,79.5 J5#13.10
